# Altium PCB PCB.PcbDoc (part 1 of 2)
Units mm, origin at the board's own origin, x right, y up, seen from the top; angles counter-clockwise.
Board outline 103.25 x 114 mm, 2 copper layers (Top Layer, Bottom Layer); 184 components, 113 nets, 584 pads, 179 vias.
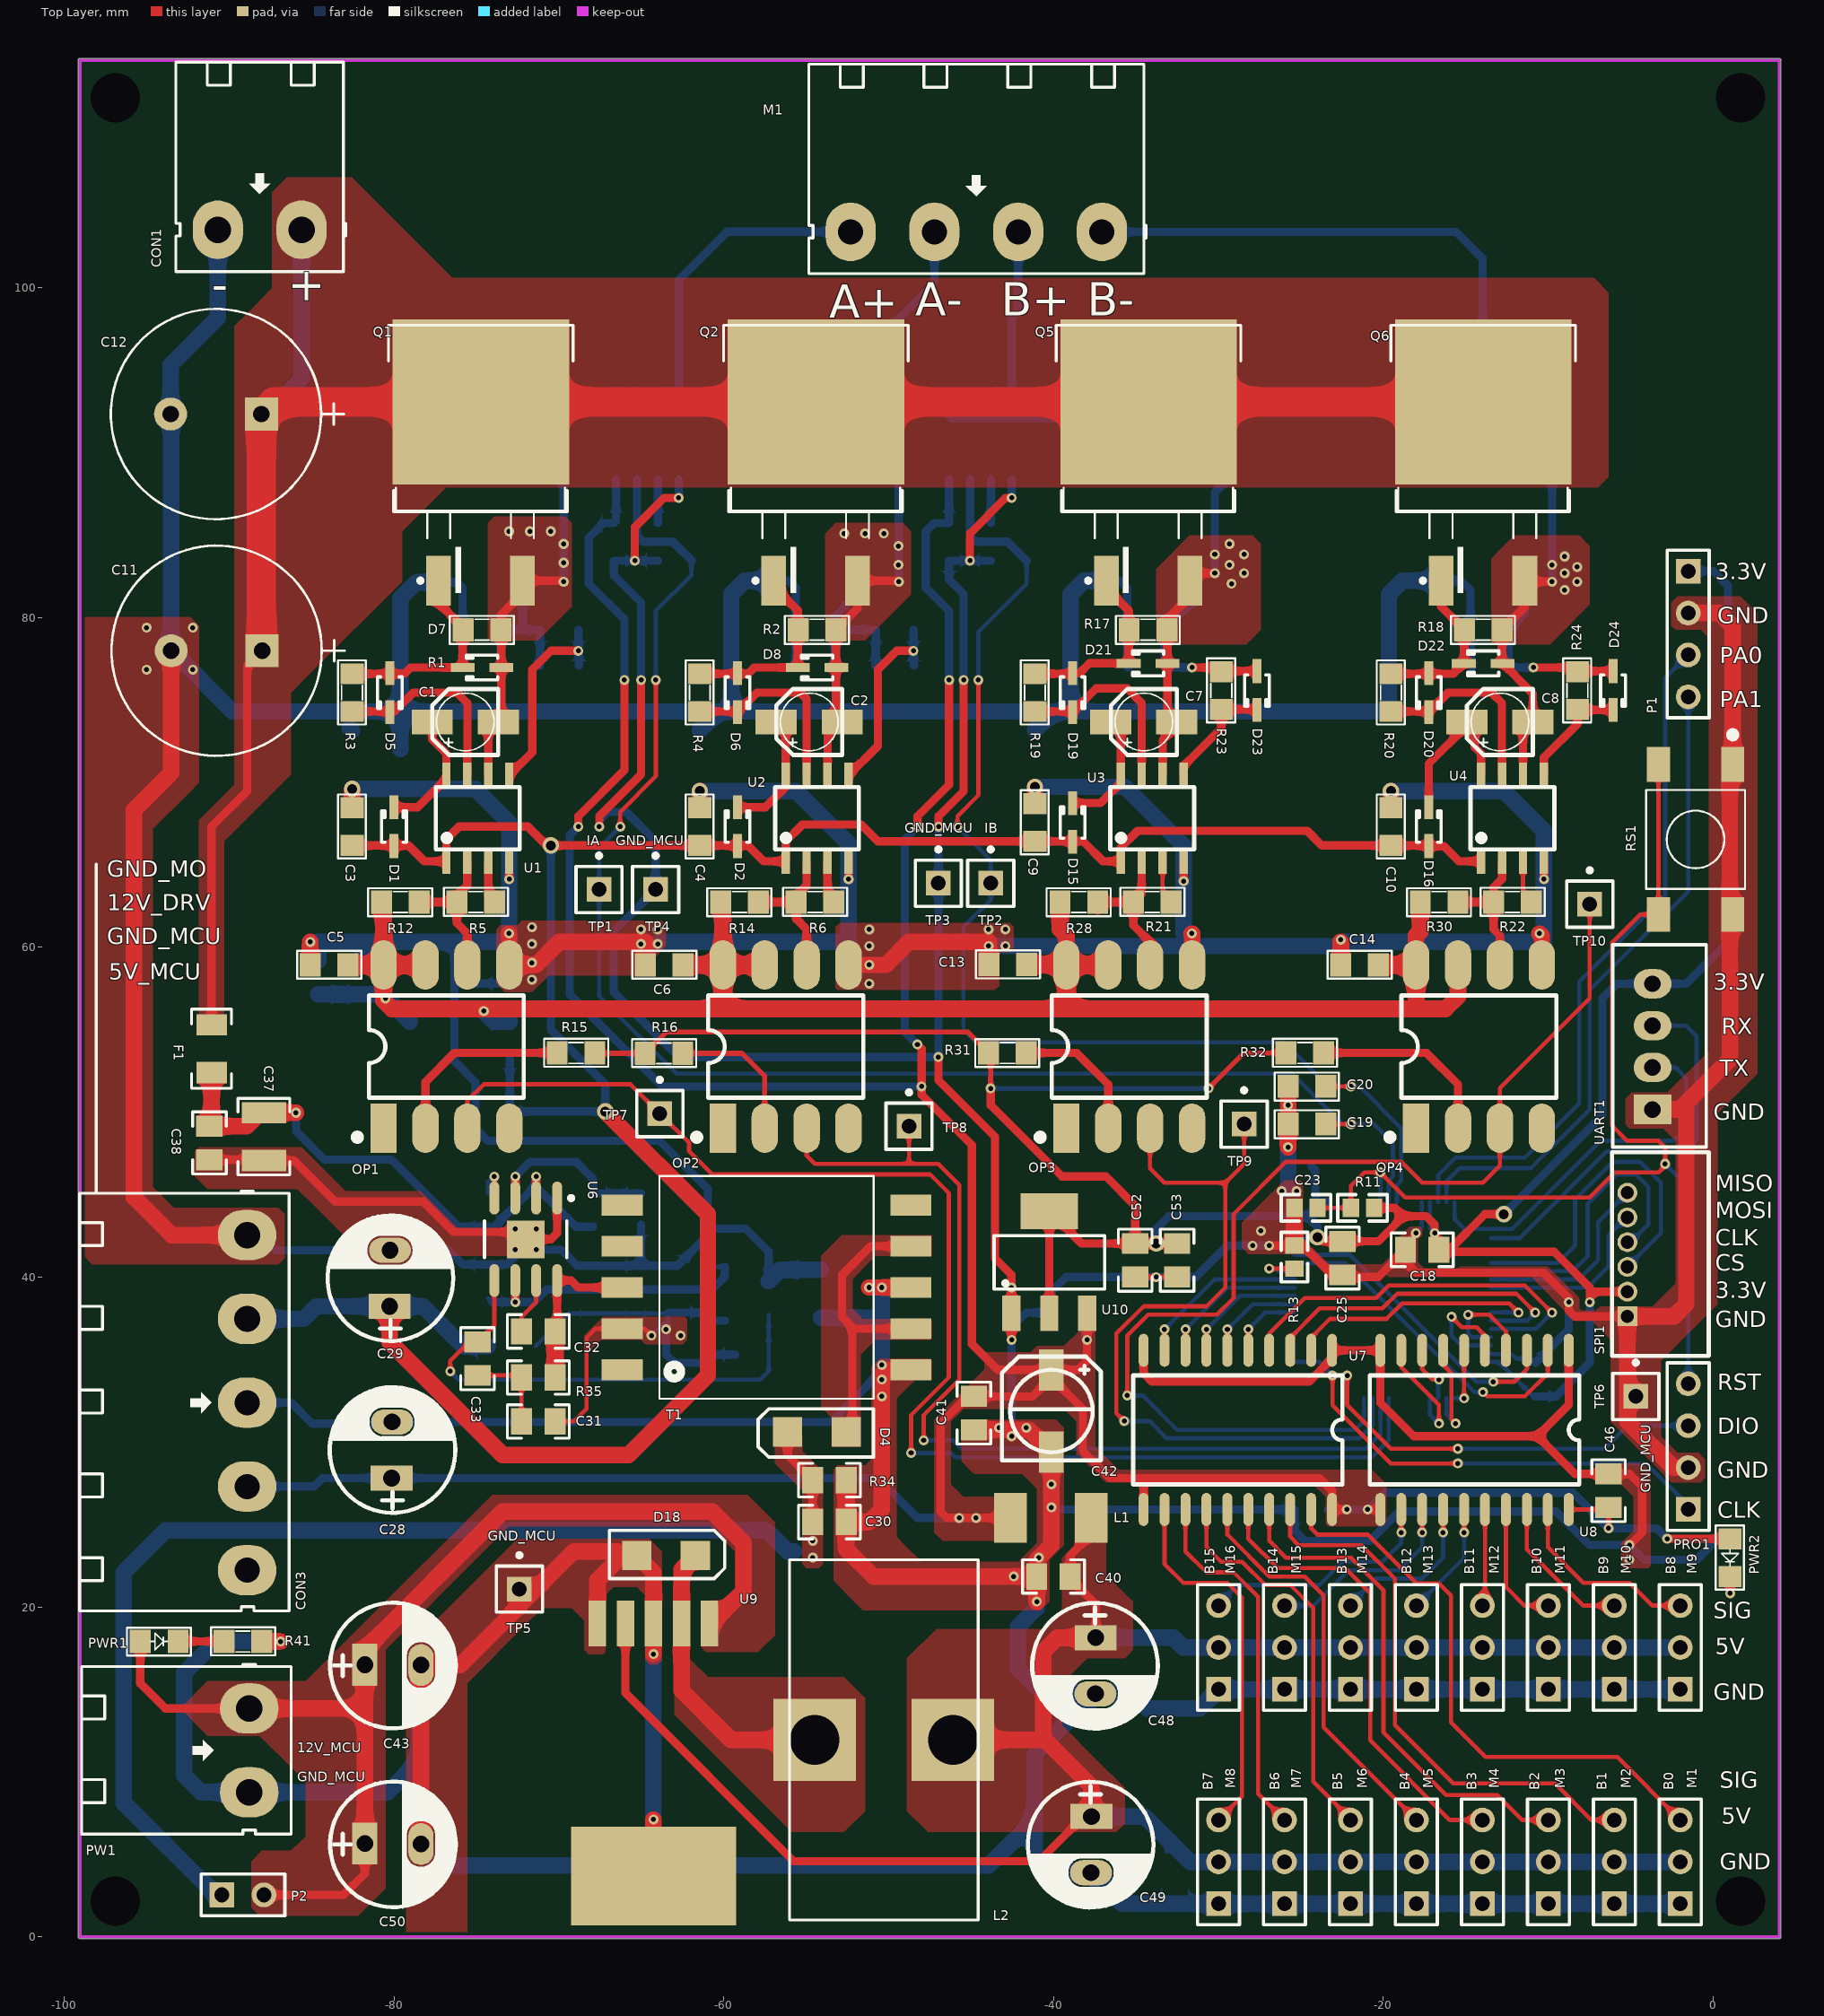
[diagram p0: Top Layer view]
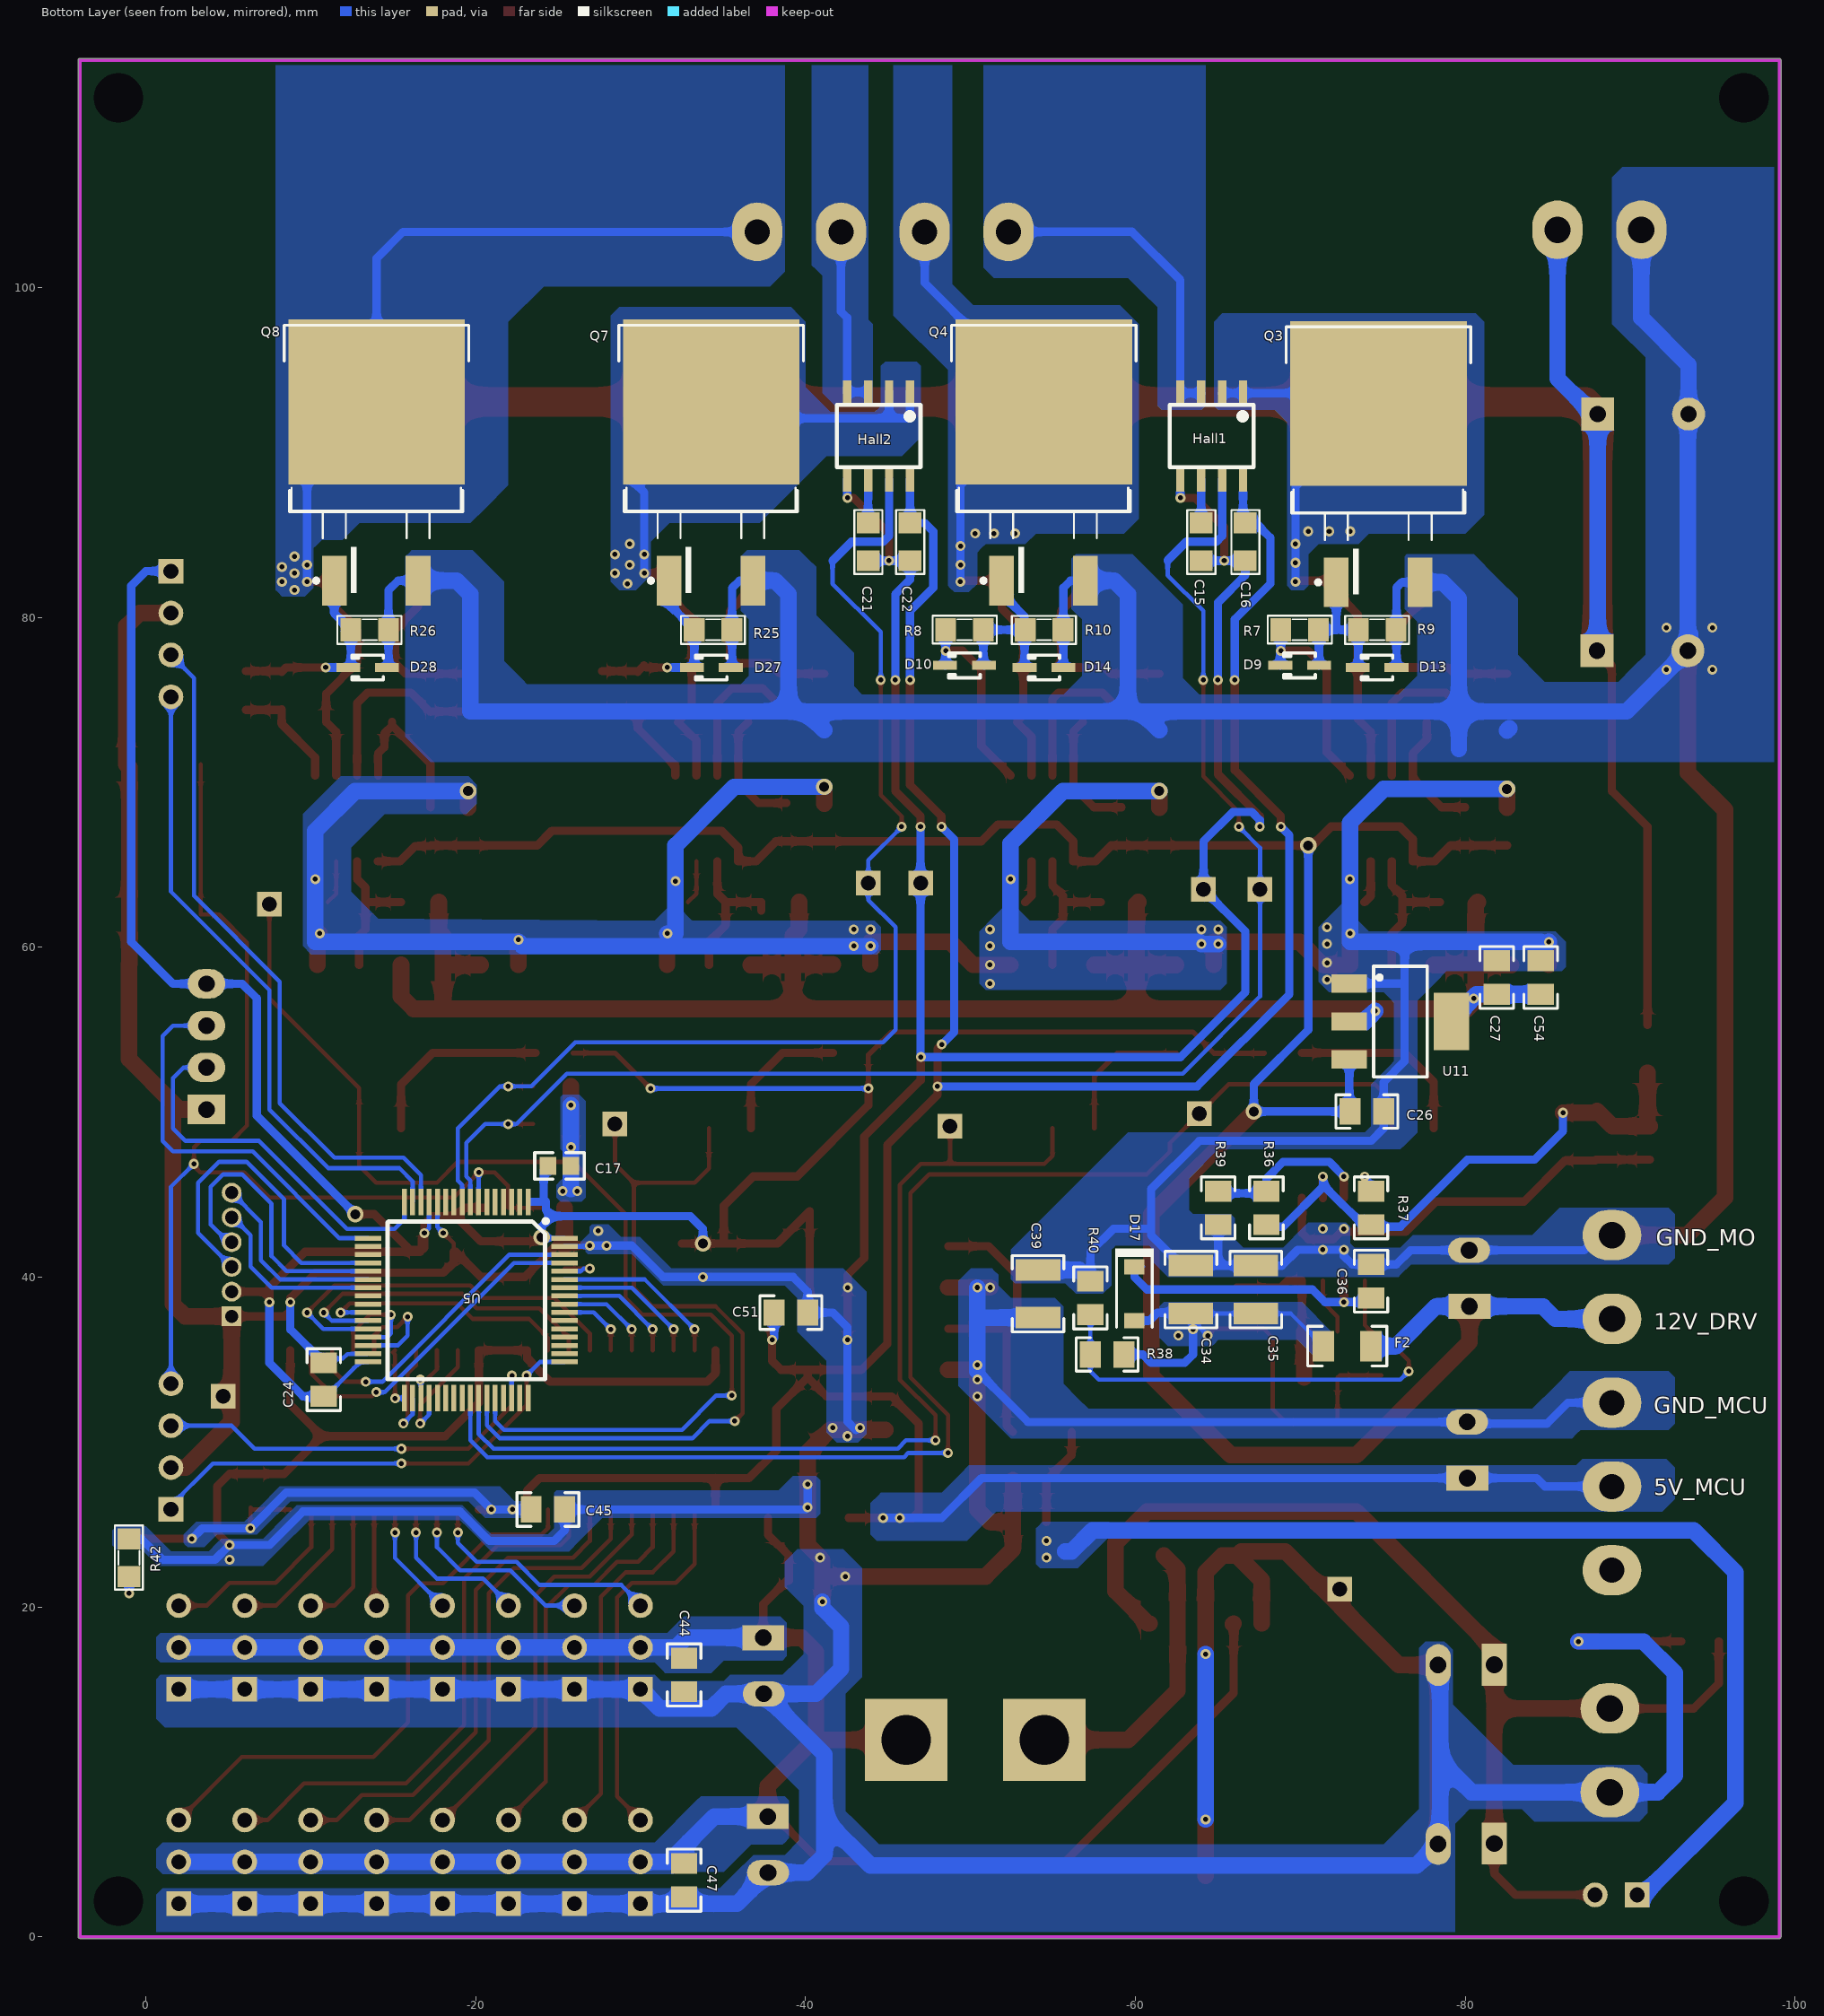
[diagram p1: Bottom Layer view, seen from below]

## Layer stack, top to bottom
Top Solder: solder mask 0.0102, Solder Resist, Dk 3.5
Top Layer: signal copper 0.0356
Dielectric 1: dielectric 0.32, FR-4, Dk 4.8
Bottom Layer: signal copper 0.0356
Bottom Solder: solder mask 0.0102, Solder Resist, Dk 3.5

## Board outline
-99.147,0 ccw(c-99.045,0) -99.045,-0.102 4,-0.102 ccw(c4,0) 4.102,0 ccw(c4,0) 4.1,0.018 4.1,113.774 ccw(c4,113.792) 4.102,113.792 ccw(c4,113.792) 4,113.894 -99.045,113.894 ccw(c-99.045,113.792) -99.147,113.792

## Design rules (kind name [scope] priority, off if disabled: settings)
Clearance [All] p1: gap=0.2
HoleSize [All] p1: absolutevalues=TRUE maxlimit=2.54 minlimit=0.3 maxpercent=80.000 minpercent=20.000
MinimumSolderMaskSliver [All] p1: minsoldermaskwidth=0
PolygonConnect [All] p1: connectstyle=Direct reliefconductorwidth=0.254 reliefentries=4 polygonreliefangle="90 Angle" airgapwidth=0.254
RoutingVias [All] p1: holewidth=1 width=2 viastyle="Through Hole" minholewidth=0.3 minwidth=0.3 maxholewidth=2 maxwidth=5
SilkToBoardRegionClearance [All] p1 off:
SilkToSolderMaskClearance [IsPad] p1: minsilkscreentomaskgap=0 clearancetoexposedcopper=TRUE
SolderMaskExpansion [All] p1: expansion=0.102
Width [All] p1: maxlimit=2.54 minlimit=0.254 preferedwidth=0.508
26 further rules are at their usual default settings.

## Components (designator, comment, footprint, x,y, rotation, side; value= is the part's Value field where it differs from the comment)
C1 "10uF" TU_NHOM_10uF_MH -75.677,73.66 r270 top
C2 "10uF" TU_NHOM_10uF_MH -54.817,73.66 r270 top
C3 "104" TU_SMD_0805 -82.535,67.31 r270 top
C4 "104" TU_SMD_0805 -61.453,67.31 r270 top
C5 "104" TU_SMD_0805 -83.932,58.928 r180 top
C6 "104" TU_SMD_0805 -63.612,58.928 r180 top
C7 "10uF" TU_NHOM_10uF_MH -34.529,73.66 r270 top
C8 "10uF" TU_NHOM_10uF_MH -12.939,73.66 r270 top
C9 "104" TU_SMD_0805 -41.133,67.564 r270 top
C10 "104" TU_SMD_0805 -19.543,67.31 r270 top
C11 "390uF" "CAP_12.5 X 25" -90.752,77.978 r180 top locked
C12 "390uF" "CAP_12.5 X 25" -90.79,92.329 r180 top
C13 "104" TU_SMD_0805 -42.784,58.953 r180 top
C14 "104" TU_SMD_0805 -21.448,58.928 r180 top
C15 "102" TU_SMD_0805 -63.993,84.582 r90 bottom
C16 "104" TU_SMD_0805 -66.66,84.582 r90 bottom
C17 "104" 0603_Cap -25.019,46.736 r0 bottom
C18 "104" 0805_hv -17.653,41.656 r0 top
C19 "104" TU_SMD_0805 -24.638,49.276 r0 top
C20 "104" TU_SMD_0805 -24.638,51.562 r0 top
C21 "102" TU_SMD_0805 -43.8,84.582 r90 bottom
C22 "104" TU_SMD_0805 -46.34,84.582 r90 bottom
C23 "104" 0603_Cap -24.638,44.196 r0 top
C24 "104" 0805_hv -10.795,33.782 r90 bottom
C25 "104" 0805_hv -22.479,41.148 r90 top
C26 "105" 0805_HV -74.041,50.038 r0 bottom
C27 "105" 0805_HV -81.915,58.166 r270 bottom
C28 "390uF" CP1/3.0 -80.124,29.515 r90 top locked
C29 "390uF" CP1/3.0 -80.251,39.929 r90 top locked
C30 "C0805C225K4RACTU" 0805_HV -53.594,25.146 r0 top
C31 "C1608C0G1E103J" 0805_hv -71.247,31.242 r0 top
C32 "C1608C0G1E103J" 0805_HV -71.247,36.703 r180 top
C33 "GRM1885C1E102JA01D" 0805_hv -74.93,35.052 r90 top
C34 "C3225X7R1E106M" 1210 -63.373,39.243 r270 bottom
C35 "C3225X7R1E106M" 1210 -67.31,39.243 r270 bottom
C36 "C1608X5R1C105K" 0805_HV -74.295,39.751 r90 bottom
C37 "C3225X7R2A105K200AA" 1210 -87.884,48.514 r90 top
C38 "C2012X7R2A104K" 0805_HV -91.186,48.133 r270 top
C39 "VJ1210A102JXGAT5Z" 1210 -54.102,38.989 r270 bottom
C40 "104" 0805_HV -40.005,21.844 r0 top
C41 "104" 0805_HV -44.831,31.75 r90 top
C42 "220uF" TU_NHOM_2.5_MH -40.132,31.877 r0 top
C43 "390uF" CP1/3.0 -80.061,16.485 r0 top
C44 "104" 0805_HV -32.639,15.875 r90 bottom
C45 "104" 0805_HV -24.384,25.908 r0 bottom
C46 "104" 0805_HV -6.35,27.051 r270 top
C47 "104" 0805_HV -32.639,3.429 r90 bottom
C48 "390uF" CP1/3.0 -37.452,16.434 r270 top
C49 "390uF" CP1/3.0 -37.719,5.588 r270 top
C50 "390uF" CP1/3.0 -80.061,5.639 r0 top
C51 "105" 0805_HV -39.116,37.846 r0 bottom
C52 "105" 0805_HV -35.052,41.021 r90 top
C53 "105" 0805_HV -32.512,41.021 r90 top
C54 "105" 0805_HV -84.582,58.166 r270 bottom
CON1 "CON 2 EDG 5.08_MH" "CON 2 EDG 5.08" -88.138,103.505 r180 top
CON3 "CON 5 EDG 5.08_MH" "Con 5 EDG 5.08" -88.9,32.385 r270 top locked
D1 "BAV21W-7-F" SOD-323 -79.995,67.31 r270 top
D2 "BAV21W-7-F" SOD-323 -59.167,67.31 r270 top
D4 "IN5822" SOD123 -53.467,29.972 r0 top
D5 "BAT54HT1G" SOD-323 -80.249,75.438 r90 top
D6 "BAT54HT1G" SOD-323 -59.167,75.438 r90 top
D7 "15V" SOD-323 -74.661,76.962 r0 top
D8 "15V" SOD-323 -54.341,76.962 r0 top
D9 "BAT54HT1G" SOD-323 -69.962,77.089 r180 bottom
D10 "BAT54HT1G" SOD-323 -49.642,77.089 r180 bottom
D13 "15V" SOD-323 -74.661,76.962 r180 bottom
D14 "15V" SOD-323 -54.46,76.962 r180 bottom
D15 "BAV21W-7-F" SOD-323 -38.847,67.564 r270 top
D16 "BAV21W-7-F" SOD-323 -17.257,67.31 r270 top
D17 "SDM10U45-7-F" SOD-123 -59.944,38.989 r270 bottom locked
D18 "IN5822" SOD123 -64.389,23.749 r180 top
D19 "BAT54HT1G" SOD-323 -38.847,75.438 r90 top
D20 "BAT54HT1G" SOD-323 -17.257,75.438 r90 top
D21 "15V" SOD-323 -34.275,77.216 r0 top
D22 "15V" SOD-323 -13.955,77.216 r0 top
D23 "BAT54HT1G" SOD-323 -27.671,75.565 r90 top
D24 "BAT54HT1G" SOD-323 -6.081,75.565 r90 top
D27 "15V" SOD-323 -34.293,76.962 r180 bottom
D28 "15V" SOD-323 -13.447,76.962 r180 bottom
F1 "Res" 1206 -91.059,53.848 r270 top
F2 "Res" 1206 -72.845,35.814 r0 bottom
Hall1 "ACS712" "SOP 8" -64.628,90.995 r0 bottom
Hall2 "ACS712" "SOP 8" -44.435,90.995 r0 bottom
L1 "680uF" "Inductor 4.5x5" -39.919,25.5 r0 top
L2 "100uF" IND_2118-V-RC -50.292,11.938 r0 top locked
M1 "ToMotor" "Con 4 EDG 5.08" -44.689,103.378 r180 top locked
M1 "Header 3" HDR1X3 -2,2 r90 top
M2 "Header 3" HDR1X3 -6,2 r90 top
M3 "Header 3" HDR1X3 -10,2 r90 top
M4 "Header 3" HDR1X3 -14,2 r90 top
M5 "Header 3" HDR1X3 -18,2 r90 top
M6 "Header 3" HDR1X3 -22,2 r90 top
M7 "Header 3" HDR1X3 -26,2 r90 top
M8 "Header 3" HDR1X3 -30,2 r90 top
M9 "Header 3" HDR1X3 -2,15 r90 top
M10 "Header 3" HDR1X3 -6,15 r90 top
M11 "Header 3" HDR1X3 -10,15 r90 top
M12 "Header 3" HDR1X3 -14,15 r90 top
M13 "Header 3" HDR1X3 -18,15 r90 top
M14 "Header 3" HDR1X3 -22,15 r90 top
M15 "Header 3" HDR1X3 -26,15 r90 top
M16 "Header 3" HDR1X3 -30,15 r90 top
OP1 "6N137 DIP8 Opto 10Mbit" SMD-8_6.3MM -80.63,49.027 r90 top
OP2 "6N137 DIP8 Opto 10Mbit" SMD-8_6.3MM -60.056,49.027 r90 top
OP3 "6N137 DIP8 Opto 10Mbit" SMD-8_6.3MM -39.228,49.027 r90 top
OP4 "6N137 DIP8 Opto 10Mbit" SMD-8_6.3MM -18.019,49.027 r90 top
P1 "Header 4" HDR1X4 -1.524,82.804 r270 top
P2 "jump" HDR1X2 -90.424,2.54 r0 top
PRO1 "Jump 4_MH" "Jump 4" -1.524,29.718 r90 top
PW1 "CON 2 EDG 5.08_MH" "CON 2 EDG 5.08" -88.773,11.303 r270 top
PWR1 "LED3" LED_0805 -94.234,17.907 r0 top
PWR2 "LED3" LED_0805 1.016,22.987 r270 top
Q1 "IRF540NS" D2PAK_M_1 -74.752,87.452 r90 top locked
Q2 "IRF540NS" D2PAK_M_1 -54.432,87.452 r90 top locked
Q3 "IRF540NS" D2PAK_M_1 -74.727,87.351 r90 bottom locked
Q4 "IRF540NS" D2PAK_M_1 -54.432,87.452 r90 bottom
Q5 "IRF540NS" D2PAK_M_1 -34.265,87.452 r90 top locked
Q6 "IRF540NS" D2PAK_M_1 -13.97,87.452 r90 top locked
Q7 "IRF540NS" D2PAK_M_1 -34.265,87.452 r90 bottom locked
Q8 "IRF540NS" D2PAK_M_1 -13.97,87.452 r90 bottom
R1 "10k" "Tro SMD 0805" -74.661,79.248 r0 top
R2 "10k" "Tro SMD 0805" -54.341,79.248 r0 top
R3 "10" "Tro SMD 0805" -82.535,75.438 r270 top
R4 "10" "Tro SMD 0805" -61.453,75.438 r270 top
R5 "0" "Tro SMD 0805" -75.042,62.738 r180 top
R6 "0" "Tro SMD 0805" -54.468,62.738 r180 top
R7 "10" "Tro SMD 0805" -69.962,79.248 r0 bottom
R8 "10" "Tro SMD 0805" -49.642,79.248 r0 bottom
R9 "10k" "Tro SMD 0805" -74.669,79.248 r180 bottom
R10 "10k" "Tro SMD 0805" -54.468,79.248 r180 bottom
R11 "10K" 0603_R -21.271,44.196 r0 top
R12 "1k" "Tro SMD 0805" -79.614,62.738 r0 top
R13 "510" 0603_R -25.4,41.213 r270 top
R14 "1k" "Tro SMD 0805" -59.04,62.738 r0 top
R15 "220" "Tro SMD 0805" -68.961,53.594 r180 top
R16 "220" "Tro SMD 0805" -63.627,53.569 r180 top
R17 "10k" "Tro SMD 0805" -34.275,79.248 r0 top
R18 "10k" "Tro SMD 0805" -13.955,79.248 r0 top
R19 "10" "Tro SMD 0805" -41.133,75.438 r270 top
R20 "10" "Tro SMD 0805" -19.543,75.438 r270 top
R21 "0" "Tro SMD 0805" -34.021,62.738 r180 top
R22 "0" "Tro SMD 0805" -12.177,62.738 r180 top
R23 "10" "Tro SMD 0805" -29.83,75.565 r270 top
R24 "10" "Tro SMD 0805" -8.24,75.565 r270 top
R25 "10k" "Tro SMD 0805" -34.402,79.248 r180 bottom
R26 "10k" "Tro SMD 0805" -13.574,79.248 r180 bottom
R28 "1k" "Tro SMD 0805" -38.466,62.738 r0 top
R30 "1k" "Tro SMD 0805" -16.622,62.738 r0 top
R31 "220" "Tro SMD 0805" -42.799,53.594 r0 top
R32 "220" "Tro SMD 0805" -24.765,53.594 r180 top
R34 "CRCW06032K00FKEA" 0805_hv -53.594,27.686 r180 top
R35 "RC0603FR-0740K2L" 0805_HV -71.247,33.909 r180 top
R36 "CRCW0603100KFKEA" 0805_HV -67.945,44.196 r270 bottom
R37 "1879339-3" 0805_HV -74.295,44.196 r90 bottom
R38 "RT0603DRE07140KL" 0805_hv -58.293,35.306 r180 bottom
R39 "CRCW06038K87FKEA" 0805_HV -65.024,44.196 r90 bottom
R40 "CRCW060320K0FKEA" 0805_hv -57.277,38.735 r270 bottom
R41 "2.2K" "Tro SMD 0805" -89.154,17.907 r180 top
R42 "2.2K" "Tro SMD 0805" 1.016,22.987 r270 bottom
RS1 "*" "SMD Button 6X6" -1,66 r270 top locked
SPI1 "Jump 6" "ZH 1.5 6P" -5.207,41.366 r90 top locked
T1 "750314459" POE13P -57.404,39.37 r0 top locked
TP1 "IA" PIN1 -67.564,63.5 r0 top
TP2 "IB" PIN1 -43.815,63.881 r0 top
TP3 "GND_MCU" PIN1 -46.99,63.881 r0 top
TP4 "GND_MCU" PIN1 -64.135,63.5 r0 top
TP5 "GND_MCU" PIN1 -72.39,21.082 r0 top
TP6 "GND_MCU" PIN1 -4.699,32.766 r0 top
TP7 "PW1" PIN1 -63.881,49.911 r0 top
TP8 "PW1" PIN1 -48.768,49.149 r0 top
TP9 "PW" PIN1 -28.448,49.276 r0 top
TP10 "PW1" PIN1 -7.493,62.611 r0 top
U1 "IR2103" "SOP 8" -74.915,67.818 r0 top
U2 "IR2103" "SOP 8" -54.341,67.818 r0 top
U3 "IR2103" "SOP 8" -34.021,67.818 r0 top
U4 "IR2103" "SOP 8" -12.177,67.818 r0 top
U5 "STM32F051R8T6 LQFP64" LQFP64 -19.431,38.608 r0 bottom locked
U6 "LM5017MRX/NOPB" MRA08A_N -72.009,42.291 r270 top locked
U7 "74HC573" SOIC-20 -28.829,30.734 r270 top locked
U8 "74HC573" SOIC-20 -14.478,30.734 r270 top locked
U9 "LM2576HVS" TO263-5 -64.262,18.972 r180 top locked
U10 "AMS1117-3.3V SOT223 _MH" SOT223 -40.259,40.894 r0 top
U11 "AMS1117-5V" SOT223 -76.073,55.499 r270 bottom
UART1 "Jump 4" "HEADER 4" -3.683,53.975 r90 top
